# Altium PCB PCB1.PcbDoc (continued)
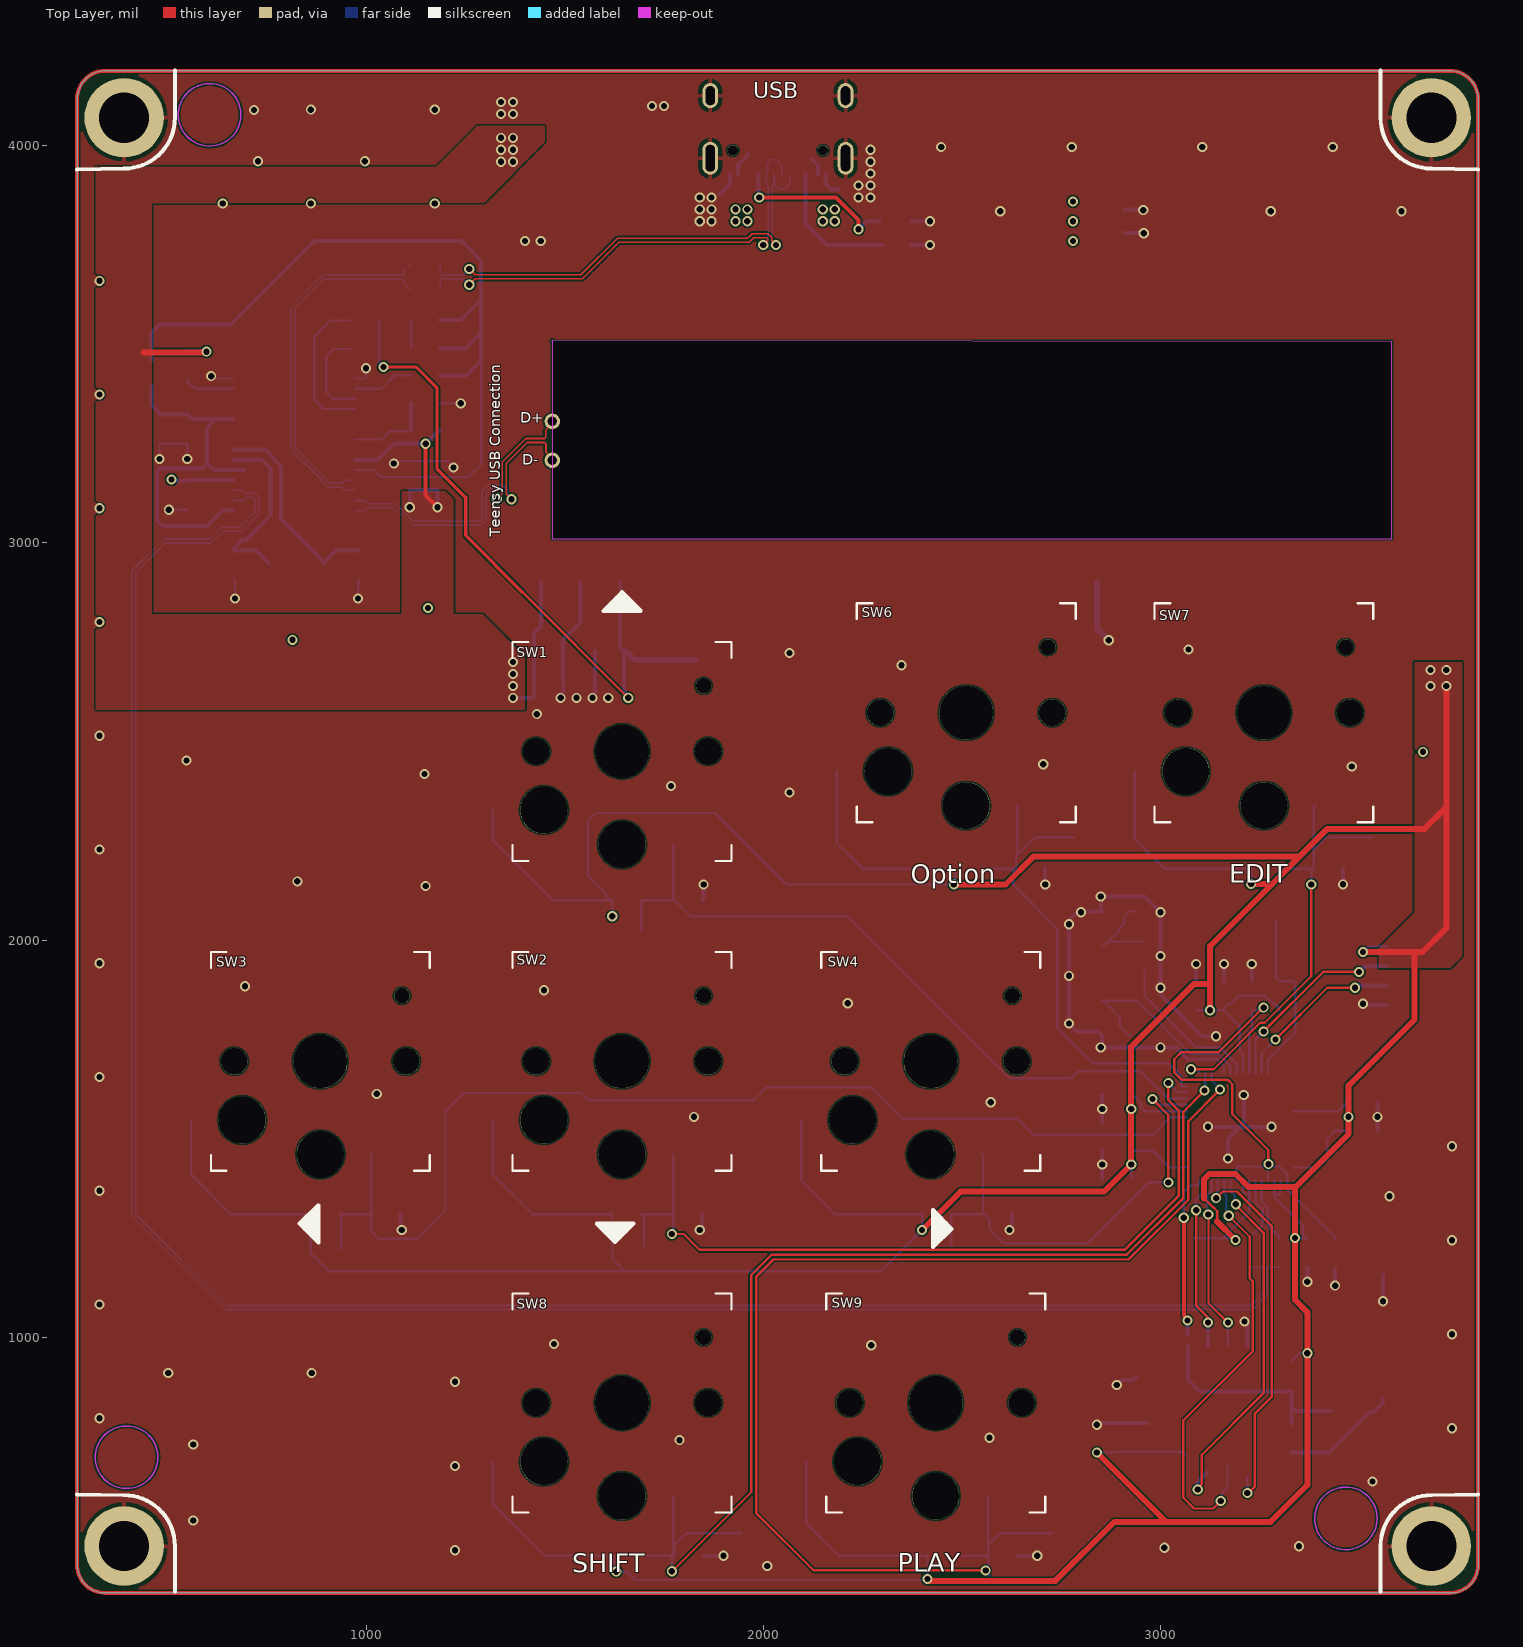
[diagram p0: Top Layer view]
## Footprints (in the part's own frame and the unit in brackets; to place one, negate y for a bottom-side part, rotate by r counter-clockwise, add the part's x,y. Pads: shape width x height; smd on the part's side, far side on the other; paste and mask are expansions set on the pad) (continued)
  round 1.2 smd paste-1.2: 1(0,0)
  silkscreen extent -0.76,-0.76 0.76,0.76
"TSW SMD-3*6*2.5" [mm] "3*6*2.5mm"
  rect 2x1.5 smd: 1(-3.996,-0.02) 2(3.937,0)
  silkscreen extent -3.21,-1.9 3.09,1.9, body extent -4,-1.75 4,1.75, height 2.59
Type-C-TOP [mm]
  round 0.65 hole 0.65: 0(-0.98,-2.89) 0(-0.98,2.89)
  oval 1.6x1 hole 0.6 slot 1.2 at 0 deg: 1(2.52,4.325) 2(2.52,-4.325)
  oval 2.1x1 hole 0.6 slot 1.7 at 0 deg: 3(-1.48,-4.325) 4(-1.48,4.325)
  rrect50% 1.5x0.3 smd: A1(-2.52,-3.35) A4(-2.52,-2.55) A5(-2.52,-1.25) A6(-2.52,-0.25) A7(-2.52,0.25) A8(-2.52,1.25) A9(-2.52,2.55) A12(-2.52,3.35) B1(-2.52,3.05) B4(-2.52,2.25) B5(-2.52,1.75) B6(-2.52,0.75) B7(-2.52,-0.75) B8(-2.52,-1.75) B9(-2.52,-2.25) B12(-2.52,-3.05)
  silkscreen extent -0.22,-4.33 5.12,4.33, body extent -2.57,-4.48 5.18,4.47, height 3.26
XTAL-5032-2P [mm] "5mm*3.2mm*0.8mm(³¤*¿í*¸ß)"
  rect 2.2x2.4 smd: 1(-1.75,0) 2(1.75,0)
  silkscreen extent -2.5,-1.6 2.5,1.6, body extent -2.5,-1.6 2.5,1.6, height 0.86

## Part data
5V BOOT GND RST: library part "TEST TP", "TP", BOM名称=测试环, 封装库来自淘宝卖家ID：黄晶宝石=其他店铺购入均为盗版假冒封装库，请立即申请退款, 联系卖家，免费查找封装=唯一出售店铺网址https://shop463601444.taobao.com
C1 C2 C3 C4 C5 C6 C7 C8 C9 C10 C11 C18 C19 C25 C26 C31 C32 C33 C34 C35 C36 C37 C38 C39 C40 C41 C42 C43 C44: library part 电容-1206, "Capacitor"
C12 C13 C14 C15 C16 C17 C24: library part 电容-1206, "0603 Capacitor"
C20 C21 C22 C23 C27 C28 C29 C30: library part 电容-0402, "0603 Capacitor"
D1: library part 二极管-5B5817WS
D2: library part TVS, "ESD Protection / ZN-SOD123 / DL21 5V6", Code_JEDEC=DO-214-AB, 联系卖家，免费查找封装=唯一出售店铺网址https://shop463601444.taobao.com
GL1: "Programmable Logic IC Development Tools", Package=None, Check_prices=https://www.snapeda.com/parts/GL850G/Olimex+LTD/view-part/?ref=eda, MF="Olimex Ltd.", MP=GL850G, SnapEDA_Link=https://www.snapeda.com/parts/GL850G/Olimex+LTD/view-part/?ref=snap
GND GND: "TP", BOM名称=测试环, 封装库来自淘宝卖家ID：黄晶宝石=其他店铺购入均为盗版假冒封装库，请立即申请退款, 联系卖家，免费查找封装=唯一出售店铺网址https://shop463601444.taobao.com
JP1: library part "Header 4", "4P连接器", BOM名称=4P连接器, 联系卖家 免费技术支持=封装库来自淘宝卖家ID：黄晶宝石, 联系卖家 免费查找封装=唯一出售店铺网址https://shop463601444.taobao.com
L1: library part 电感-201612, "BEADS 30R 0603"
MR1 MR2 MR3: library part MARK, "光学定位点", BOM名称=光学定位点, 封装库来自淘宝卖家ID：黄晶宝石=其他店铺购入均为盗版假冒封装库，请立即申请退款, 联系卖家，免费查找封装=唯一出售店铺网址https://shop463601444.taobao.com
R1 R2 R3 R4: library part 电阻-0402, "Resistor"
R5 R6 R17: library part 电阻-0402, "0603 1% Resistor"
R7 R8 R9 R10 R11 R12 R13 R14 R15 R16 R18 R19 R20 R21 R22 R23 R24 R25: library part 电阻-0402, "0603 Resistor"
SW1 SW2 SW3 SW4 SW5 SW6 SW7 SW8 SW9: library part "SW 3x6", BOM名称=3x6轻触开关, 封装库来自淘宝卖家ID：黄晶宝石=其他店铺购入均为盗版假冒封装库，请立即申请退款, 联系卖家，免费查找封装=唯一出售店铺网址https://shop463601444.taobao.com
TP5 TP8 TP9 TP10 TP11 TP12 TP13 TP14 TP15: library part "TEST TP", BOM名称=测试环, 封装库来自淘宝卖家ID：黄晶宝石=其他店铺购入均为盗版假冒封装库，请立即申请退款, 联系卖家，免费查找封装=唯一出售店铺网址https://shop463601444.taobao.com
U1: library part Teensy4_1, "Teensy 4_1 MCU"
U2: "RP2040 chip for Raspberry Pi Pico - ARM® Cortex®-M0+ MCU 32-Bit", Package=None, Check_prices=https://www.snapeda.com/parts/RP2040/Raspberry+Pi/view-part/?ref=eda, MF="Raspberry Pi", MP=RP2040, SnapEDA_Link=https://www.snapeda.com/parts/RP2040/Raspberry+Pi/view-part/?ref=snap
U3: library part W25Q128JVSIQ, "FLASH - NOR Memory IC 16Mb (2M x 8) SPI - Quad I/O, QPI, DTR 133 MHz 8-SOIC", Package="SOIC-8 Winbond", Availability="In Stock", Check_prices=https://www.snapeda.com/parts/W25Q128JVSIQ/Winbond+Electronics/view-part/?ref=eda, fp=SOIC8, MF="Winbond Electronics", MP=W25Q128JVSIQ, price=None, Purchase-URL=https://pricing.snapeda.com/search/part/W25Q128JVSIQ/?ref=eda, SnapEDA_Link=https://www.snapeda.com/parts/W25Q128JVSIQ/Winbond+Electronics/view-part/?ref=snap
USB1: library part USB-Type-C-TOP, "16P USB Type-C Connector"
X1 X2: library part XTAL-2P, "2P Crystal 12MHZ", BOM名称=2脚无源脚晶振, 封装库来自淘宝卖家ID：黄晶宝石="让中国人都用上 黄晶宝石 的AD封装库", 联系卖家，免费查找封装=唯一出售店铺网址https://shop463601444.taobao.com

## Free pads (board coordinates)
  round 200 hole 125.98 paste+0: 1(390.87,474.33) 1(390.87,4070.58) 1(3682.2,474.33) 1(3682.2,4070.58)
  round 39.37 hole 23.62 paste+0: 3(1469,3306) 4(1469,3208)

## Via types
v1: diameter 25.59, hole 15.75, Top Layer to Bottom Layer, tented both sides, 226 vias

## Nets (pads, with @x,y where several pads share a name; then routed paths per layer and width w, separated by ;. In a path a pad name is that pad's centre, name@x,y a point inside that pad or via, vN(x,y) a via of type N, cw(c..) or ccw(c..) an arc to the next point about the centre after c; other vN are vias at no path point)
1V1: C33.2 C34.2 U2.23 U2.45 U2.50 | length 1321.6
  Top Layer w6: v1(3260,1830) 3259,1830 3147,1718 3053,1718 3035,1700 3035,1667 3054,1648 3170,1648 3181,1637 3181,1562 3272,1471 v1(3272,1436)
  Bottom Layer w6: U2.50 3192.13,1426.49 3195.64,1430 v1@3267.35,1430 ; U2.23 3223.62,1766.86 3230.02,1773.26 C34.2 3253.5,1823.5 v1(3260,1830) ; U2.45 3270.87,1426.49 v1@3267.35,1430 ; C33.2 3440,1251.5 3320,1371.5 3320,1409.75 3299.75,1430 v1@3267.35,1430
3V3: C14.2 C15.2 C16.2 C17.2 C20.2 C21.2 C22.2 C23.2 C24.1 C25.2 C26.2 C27.2 C28.2 C29.2 C30.2 C35.2 C36.2 C37.2 C38.2 C39.2 C40.2 C41.2 C42.2 C43.2 C44.2 JP1.1 R9.2 R10.2 R11.1 R16.1 SW1.2 SW2.2 SW3.2 SW4.2 SW6.2 SW7.2 SW8.2 SW9.2 TP15.1 U1.15 U1.46 U2.1 U2.10 U2.22 U2.33 U2.42 U2.43 U2.44 U2.48 U2.49 U3.8 | length 19039.9
  Top Layer w6: 1395,2875 v1(1660,2610) ; 3110,1350 3131.8,1328.2 3132.29,1328.2 3143,1317.49 3143,1291
  Top Layer w8: v1(1044,3443) 1126,3443 1179,3390 1179,3186 1250,3115 1251,3115 1251,3019 1395,2875
  Top Layer w15: v1(2400,1270) 2497,1367 2858.49,1367 v1(2926.5,1435.01) v1(2926.5,1575.03) 2926.5,1731.5 3084,1889 3125.01,1889 ; v1(2413.5,391.5) 2418.3,386.7 2735.7,386.7 2884,535 3015,535 ; v1(2480,2140) 2610,2140 2680,2210 3350,2210 ; v1(2840,710) 3015,535 ; 3110,1350 3110,1398 3123,1411 3189,1411 3221,1379 3336.68,1379 3338.84,1376.84 ; v1(3125.01,1823.5) 3125.01,1889 ; 3143,1291 v1(3189,1245) ; v1(3228.5,2141.5) 3281.5,2141.5 ; v1(3510,1970) 3660,1970 3720,2030 3720,2335 ; 3640,1960 3640,1800 3473.5,1633.5 v1(3473.5,1554.99) 3473.5,1511.5 3338.84,1376.84 ; v1(3720,2640) 3720,2335 ; 3015,535 3277,535 3370,628 v1(3370,960) 3370,1063 3338.84,1094.16 v1(3338.84,1250.16) 3338.84,1376.84 ; 3125.01,1889 3125.01,1985.01 3281.5,2141.5 ; 3281.5,2141.5 3350,2210 ; 3350,2210 3420,2280 3665,2280 3720,2335
  Bottom Layer w6: SW3.2 559.21,1410.79 660,1310 C22.2 860.49,1212.51 907,1166 1652,1166 ; R9.2 R10.2 1033.49,3453.51 v1(1044,3443) ; SW8.2 1318.7,581.3 1450,450 C29.2 1623.5,421.8 1630,415.3 v1(1630,410) 1656,410 1677,389 2411,389 v1(2413.5,391.5) C30.2 2190,450 2108.7,531.3 SW9.2 ; SW2.2 1318.7,1411.3 1420,1310 C21.2 1620.49,1197.51 1652,1166 ; SW1.2 1318.7,2251.3 1470,2100 C20.2@1615.49,2100 ; v1(1620,2060) 1620,2099.51 C20.2 C20.2@1615.49,2100 ; C15.2 C15.2@1654.51,2727.15 ; SW4.2 2095.75,1394.25 2180,1310 C23.2 2400.49,1270.49 v1(2400,1270) 2296,1166 1652,1166 ; SW6.2 2185.27,2244.73 2250,2180 C27.2 v1@2483.5,2140 ; v1(2480,2140) 2059,2140 1879,2320 1577.51,2320 1558,2300.49 1558,2162.49 1603.49,2117 1603.49,2112 C20.2@1615.49,2100 ; v1(2840,710) 2886.34,710 C26.2 C25.2 3056.29,711.71 U3.8@3063,705 ; C35.2 v1(2926.5,1435.01) C36.2 2979.99,1470.01 3022.36,1427.64 U2.1 ; C37.2 v1(2926.5,1575.03) C38.2 2931.5,1610.03 2952.07,1589.46 2952.07,1577.93 2960.63,1569.37 U2.10 ; SW7.2 2935,2255 3010,2180 C28.2 v1(3228.5,2141.5) ; C44.2 C43.2 ; C39.2 v1(3125.01,1823.5) C40.2 ; v1(3189,1245) 3184.68,1249.32 C43.2 ; U2.22 3207.87,1712.13 3200,1720 3200,1783.51 C40.2 ; U2.49@3208.81,1393.83 U2.49 3207.87,1365.64 3211.39,1362.13 3221.56,1362.13 3223.62,1364.19 ; U2.48 3223.62,1364.19 ; U2.44 3286.61,1360 ; R16.1 3300.03,1827.75 3287.28,1840.5 3283.03,1840.5 3263.53,1860 3196.51,1860 3177.01,1840.5 3172.01,1840.5 3160.01,1828.5 C40.2 ; U2.43 3302.36,1363.51 3298.85,1360 3289.92,1360 ; R11.1 3330.19,940.75 3349.43,960 v1(3370,960) ; U2.42 3397.64,1427.64 3420,1450 3420,1500 3439.99,1519.99 C41.2 v1(3473.5,1554.99) C42.2 3468.5,1590 3447.87,1569.37 U2.33 ; v1@3338,1251 v1(3338.84,1250.16) 3339.68,1249.32 C24.1 3358,1261.32 3358,1282 3286.61,1353.39 3286.61,1356.69 ; v1(3510,1970) 3524.36,1984.36 JP1.1 ; C43.2 3223.62,1315.95 3223.62,1364.19 ; 3286.61,1356.69 3286.61,1360 ; 3286.61,1356.69 3289.92,1360 ; 3286.61,1360 3289.92,1360
  Bottom Layer w10: U1.46 1640,2736.66 C15.2 C14.2 1649.51,2625.79 1660,2615.3 v1(1660,2610)
  Bottom Layer w15: C15.2@1654.51,2727.15 1675.66,2706 TP15.1
  other v1: 3680,2640 3680,2680 3720,2680 2780,3760 2780,3810 2780,3860
3V3_HUB_OUT: C6.2 C7.2 GL1.24 L1.1 R25.1 | length 2230.6
  Bottom Layer w6: GL1.24 1020.35,3183.65 1038,3166 1258,3166 1290,3198 1290,3460
  Bottom Layer w10: L1.1@460,3460.46 L1.1 460,3530 480,3550 660,3550 870,3760 1240,3760 1290,3710 1290,3613.1 ; R25.1 1251.53,3421.53 1290,3460 1290,3530 ; C7.2 1188.04,3490 1250,3490 1290,3530 ; C6.2 1238.45,3561.55 1290,3613.1 ; 1290,3530 1290,3613.1
5V: 5V.1 C1.2 C2.2 C3.2 C4.2 C5.2 C10.2 C11.2 C12.2 C13.2 D1.2 GL1.23 R5.2 R8.2 U1.48 | length 1131.4
  Top Layer w10: v1@596.51,3480 v1(598.25,3481.74) ; v1(1150,3250) 1150,3120 v1(1180,3090)
  Top Layer w15: 440,3480 v1@596.51,3480
  Bottom Layer w10: R8.2 596.51,3483.49 v1(598.25,3481.74) v1@600,3480 ; GL1.23 1029.24,3209.24 1070,3250 v1(1150,3250) 1181.51,3281.51 R5.2 ; v1(1110,3090) C11.2 C10.2 v1(1180,3090) ; v1(1370,2610) 1418.43,2610 1423.5,2615.07 C13.2 1423,2657.64 C12.2 1423,2773 1440,2790 U1.48
  other v1: 1370,2640 1370,2670 1370,2700 1340,3960 1370,3960 1340,3990 1370,3990 1340,4020 1370,4020
A_KEY: C27.1 R21.2 SW6.1 TP11.1 U2.14 | length 1248.1
  Bottom Layer w6: C27.1 R21.2 ; SW6.1 2640,2215 ; TP11.1 2684,2259 2640,2215 ; U2.14 3053.15,1632.36 3052.21,1633.3 3052.21,1656.96 3019.18,1690 2830,1690 2740,1780 2740,2030 2630,2140 2630,2173.49 R21.2 ; R21.2 2636.51,2211.51 2640,2215
AVDD: C8.2 C9.2 GL1.1 GL1.5 GL1.10 L1.2 | length 963
  Bottom Layer w10: L1.2 460,3348 480,3328 C8.2 C9.2 561.39,3311.61 621.61,3311.61 ; GL1.1 638.85,3081.29 600,3042.44 487.56,3042.44 474.14,3055.86 474.14,3181.64 480,3187.5 587.5,3187.5 600,3200 ; GL1.10 621.61,3311.61 ; GL1.5@693.03,3183.65 GL1.5 616.35,3183.65 600,3200 ; 600,3200 600,3290 621.61,3311.61
B_KEY: C28.1 R22.2 SW7.1 TP12.1 U2.15 | length 1104.7
  Top Layer w6: v1(3077,1675) 3134.18,1675 3250.97,1791.8 3262.62,1791.8 3380,1909.18 v1(3380,2140)
  Bottom Layer w6: v1(3077,1675) 3091.7,1675 3097.64,1669.06 U2.15 ; C28.1 R22.2 ; v1(3380,2140) 3380,2173.49 R22.2 ; SW7.1 3386.51,2335.17 3386.51,2227.51 ; TP12.1@3533,2259 3418,2259 3386.51,2227.51 ; R22.2 3386.51,2227.51
D_KEY: C21.1 R13.2 SW2.1 TP8.1 U2.13 | length 2063.7
  Top Layer w6: v1(1770,1260) 1800,1260 1840,1220 2910,1220 3046,1356 3046,1571.35 3020,1597.35 v1(3020,1640)
  Bottom Layer w6: TP8.1 1700,1303.49 C21.1 R13.2 ; v1(1770,1260) 1773.5,1263.5 R13.2 ; SW2.1 1773.43,1310.07 R13.2 ; v1(3020,1640) 3042.45,1617.55 3063.83,1617.55 U2.13
DVDD: GL1.16 R25.2 | length 154.7
  Bottom Layer w6: GL1.16 1038.38,3388.38 1071.53,3421.53 R25.2
GND: C1.1 C2.1 C3.1 C4.1 C5.1 C6.1 C7.1 C8.1 C9.1 C10.1 C11.1 C12.1 C13.1 C14.1 C15.1 C16.1 C17.1 C18.1 C19.1 C24.2 C25.1 C26.1 C31.1 C32.1 C33.1 C34.1 C35.1 C36.1 C37.1 C38.1 C39.1 C40.1 C41.1 C42.1 C43.1 C44.1 D2.1 GL1.14 GL1.15 GND.1 JP1.4 pad.1 R1.2 R2.2 R6.1 R7.2 R12.1 R13.1 R14.1 R15.1 R21.1 R22.1 R23.1 R24.1 SW5.1 U1.1 U1.34 U1.47 U2.19 U2.57 U3.4 USB1.1 USB1.2 USB1.3 USB1.4 USB1.A1 USB1.A12 USB1.B1 USB1.B12 | length 4511.9
  Bottom Layer w6: v1(479.98,3211.3) C8.1 C9.1 v1(550,3211.3) ; v1@500,3080 v1(503.5,3083.5) R6.1 ; v1(610,3420) 616.03,3413.97 GL1.14 ; C18.1 670,2906.03 v1(670,2860) ; GL1.15 996.41,3413.97 1000,3417.56 v1(1000,3440) ; v1(980,2860) C19.1 ; v1(1070,3200) 1076.5,3206.5 C11.1 C10.1 1203.5,3206.5 v1(1220,3190) ; C7.1 C6.1 ; R7.2 v1(1238.48,3351.52) v1@1240,3350 ; 3070,1700 3142.74,1700 3159.69,1683.05 3159.69,1666.17 U2.19
  Bottom Layer w10: R14.1 1086.5,1273.5 v1(1090,1270) ; v1(1490,2610) 1496.5,2616.5 C13.1 1496,2657.64 C12.1 1496,2756 1540,2800 U1.47 ; v1(1570,2610) 1570,2614.22 1576.51,2620.73 C14.1 C15.1 ; v1(1840,1270) 1846.5,1276.5 R13.1 ; R12.1 1850,2103.5 v1(1850,2140) ; R23.1 v1(1900,450) ; 1890,3880 1892.76,3880 1916.92,3904.17 USB1.B12 ; USB1.B1 2157.08,3904.17 2171.24,3890 2190,3890 ; R2.2 v1(2419.99,3749.99) ; R1.2 v1(2420,3810) ; v1(2620,1270) 2626.5,1276.5 R15.1 ; R24.1 v1(2690,450) ; R21.1 2710,2179.51 v1(2710,2140) v1@2710,2130 ; v1(2840,780) 2844.71,784.71 C26.1 C25.1 ; C35.1 v1(2853.5,1435.01) C36.1 ; C37.1 v1(2853.5,1575.03) C38.1 ; v1(2890,880) 2902.87,892.87 2932.87,892.87 GND.1@2940,900 ; C16.1 v1@2949.99,3779.99 ; C17.1 2955,3840 v1(2957,3838) v1@2959,3836 ; 3070,1700 3040,1730 v1(3000,1730) v1(2850,1730) 2853.5,1733.5 C31.1 2843.5,1770 2790,1770 v1(2770,1790) v1(2770,1910) v1(2770,2040) 2772.98,2042.98 2772.98,2052.98 2787.02,2067.02 2794.59,2067.02 2800,2072.43 C32.1 2850,2075.93 v1(2850,2110) 2960,2110 v1(3000,2070) v1(3000,1960) v1(3000,1880) 3000,1862.94 3104.94,1758 v1(3140,1758) ; C39.1 v1(3090,1940) ; v1(3120,1530) U2.57 ; C40.1 v1(3160,1940) ; v1(3170,1450) 3170,1500 U2.57 ; v1(3210,1610) 3210,1540 U2.57 ; v1(3212,1040) 3218.99,1033.01 U3.4 ; C34.1 v1(3230.02,1939.98) ; v1(3280,1530) U2.57 ; v1(3370,1140) C24.2 ; v1(3440,1130) C33.1 ; v1(3459.51,2140.49) R22.1 ; v1(3510,1840) 3513.28,1836.72 JP1.4 ; C41.1 v1(3546.5,1554.99) C42.1 ; v1@3560,1090 v1(3560.79,1090.79) SW5.1
  Bottom Layer w15: U1.34 2840,2785 v1(2870,2755)
  other v1: 2010,424 1224,464 3010,470 3349,474 565,539 3534,637 1224,676 565,730 1789,741 2570,747 3734,771 329,796 1224,888 502,910 863,910 2272,980 1473,983 3734,1007.67 329,1082.4 3734,1244.33 3577,1355 329,1368.8 3734,1481 1826,1555 2573,1592 1027,1613 329,1655.2 2213,1841 1448,1874 695,1884 329,1941.6 2800,2070 1150,2136 827,2148 329,2228 2066,2372 1768,2388 1147,2418 3482,2437 2705,2443 548,2452 3661,2474 329,2514.4 1430,2569 1530,2610 1610,2610 2348,2692 2066,2723 3071,2732 815,2756 329,2800.8 1156,2836 329,3087.2 329,3373.6 329,3660 1400,3760 1440,3760 2958,3780 1840,3810 1870,3810 2597,3835 3278,3835 3607,3835 1840,3840 1870,3840 639,3855 861,3855 1173,3855 1840,3870 1870,3870 2240,3870 2270,3870 2240,3900 2270,3900 2270,3930 2270,3960 728,3961 997,3961 2270,3990 2448,3997 2776.67,3997 3105.33,3997 3434,3997 1340,4080 1370,4080 718,4090 861,4091 1173,4091 1720,4100 1750,4100 1340,4110 1370,4110
L_KEY: C22.1 R14.2 SW3.1 TP9.1 U2.9 | length 2811.1
  Bottom Layer w6: TP9.1@938,1221 938,1305.49 C22.1 R14.2 ; SW3.1 1013.5,1459.96 R14.2 ; U2.9 3023.62,1553.62 2980,1510 2680,1510 2640,1550 2350,1550 2270,1630 2009,1630 1976,1597 1561.06,1597 1543,1615.06 1245.06,1615.06 1200,1570 1200,1320 1128.2,1248.2 1031.8,1248.2 1013.5,1266.5 R14.2
M_KEY: C30.1 R24.2 SW9.1 TP14.1 U2.17 | length 3229.1
  Top Layer w6: v1(2560,413) 2559.7,413.3 2126.7,413.3 1982,558 1982,1152 2026,1196 2919.94,1196 3070,1346.06 3070,1543.75 v1(3150,1623.75)
  Bottom Layer w6: C30.1 R24.2 ; v1(2560,413) 2560,411.81 v1@2566.51,405.3 ; SW9.1 2566.51,597.32 2566.51,476.51 ; 2570,400 2566.51,403.49 v1@2566.51,405.3 ; TP14.1 2597,507 2566.51,476.51 ; U2.17 3129.13,1646.59 3150,1625.72 v1(3150,1623.75) ; v1@2566.51,405.3 R24.2 ; R24.2 2566.51,476.51
NetC18_2: C18.2 GL1.6 X1.1 | length 453.9
  Bottom Layer w10: GL1.6 738.41,3209.24 760,3187.66 760,3069.75 697.25,3007 688.11,3007 667.57,2986.46 C18.2 722.9,2981.46 X1.1
NetC19_2: C19.2 GL1.7 X1.2 | length 526.8
  Bottom Layer w10: GL1.7 745.17,3234.83 786.09,3193.91 786.09,3060 892.68,2953.41 X1.2 924.67,2981.46 C19.2
NetC31_2: C31.2 U2.20 X2.1 | length 528.5
  Bottom Layer w6: X2.1 X2.1@2856.93,1847.32 ; C31.2 2921.5,1760 2897.24,1784.26 2897.24,1807.01 X2.1@2856.93,1847.32 ; U2.20 3175.44,1666.17 3175.44,1684.27 3145.71,1714 3075.8,1714 2942.48,1847.32 X2.1@2856.93,1847.32
NetC32_2: C32.2 R18.1 X2.2 | length 219.7
  Bottom Layer w6: X2.2 2856.93,1985.11 X2.2@2868.32,1996.5 ; C32.2@2931.5,2072.43 C32.2 2921.5,2072.43 2909.5,2060.43 2909.5,2041.62 2897.24,2029.36 2897.24,2025.42 X2.2@2868.32,1996.5 ; R18.1 X2.2@2868.32,1996.5
NetGL1_4: GL1.4 R6.2 | length 157.5
  Bottom Layer w10: v1(510,3160) 513.5,3156.5 R6.2 551.56,3158.06 GL1.4
NetGL1_13: GL1.13 R8.1 | length 127.1
  Bottom Layer w6: R8.1 550,3406.24 562.75,3393.49 567,3393.49 572.11,3388.38 GL1.13
NetGL1_17: GL1.17 R10.1 | length 237.8
  Bottom Layer w6: R10.1 918.49,3488.49 900,3470 900,3380 917.21,3362.79 GL1.17
NetGL1_18: GL1.18 R9.1 | length 379
  Bottom Layer w6: R9.1 910,3560 870,3520 870,3360 892.8,3337.2 GL1.18
NetGL1_21: GL1.21 R5.1 R7.1 | length 219.7
  Bottom Layer w6: GL1.21 1040.42,3260.42 1061.51,3281.51 R5.1
  Bottom Layer w10: R5.1 R7.1
NetR1_1: R1.1 USB1.A5 | length 417.5
  Top Layer w10: v1(1990,3870) 2183.65,3870 2240,3813.65 v1(2240,3790)
  Bottom Layer w10: USB1.A5 1987.79,3872.21 v1(1990,3870) ; v1(2240,3790) 2260,3810 R1.1@2293.5,3810
NetR2_1: R2.1 USB1.B5 | length 338.7
  Bottom Layer w10: USB1.B5 2105.9,3804.1 2160.01,3749.99 R2.1
NetR17_1: R17.1 SW5.2 | length 291.5
  Bottom Layer w10: R17.1 3425,710 3525.63,810.63 3535.47,810.63 3560,835.16 SW5.2
NetR18_2: R18.2 U2.21 | length 389.6
  Bottom Layer w6: R18.2 2960,1860 3090,1730 3150,1730 3192.13,1687.87 U2.21
NetR19_1: R19.1 U2.46 | length 163.6
  Bottom Layer w6: U2.46 3255.12,1341.85 3270,1326.97 3270,1282.56 3298.99,1253.57 R19.1
NetR20_1: R20.1 U2.47 | length 153.3
  Bottom Layer w6: R20.1@3233.68,1259.26 3258,1283.58 3258,1322 3239.37,1340.63 U2.47
QSPI_SCLK: U2.52 U3.6 | length 1114.8
  Top Layer w6: v1(3152,588) 3133,569 3085,569 3058,596 3058,791 3232.8,965.8 3232.8,1140.5 3225,1148.3 3225,1253 v1(3172,1306)
  Bottom Layer w6: v1(3152,588) 3155,591 3155,608 3168.99,621.99 U3.6 ; U2.52 3160.63,1361.37 3165.45,1356.55 3165.45,1317.85 3172,1311.3 v1(3172,1306)
QSPI_SD0: U2.53 U3.5 | length 970.7
  Top Layer w6: v1(3140.41,1350.41) 3157,1367 3193,1367 3280,1280 3280,850 3237.12,807.12 3237.12,623.12 3221.8,607.8 v1(3219,607.8)
  Bottom Layer w6: v1(3140.41,1350.41) 3144.88,1354.88 U2.53 ; v1(3219,607.8) 3218.99,650.01 U3.5@3219.49,650.51
QSPI_SD1: U2.55 U3.2 | length 438.9
  Top Layer w6: v1(3090,1320) 3090,1080 3120,1050 v1(3120,1037.12)
  Bottom Layer w6: v1(3090,1320) 3090,1347.79 3113.39,1371.18 U2.55
  Bottom Layer w10: U3.2 3119.49,978.85 3119.49,1036.62 v1(3120,1037.12)
QSPI_SD2: U2.54 U3.3 | length 444.8
  Top Layer w6: v1(3120.67,1309) 3121.2,1308.46 3121.2,1085.92 v1(3170,1037.12)
  Bottom Layer w6: v1(3120.67,1309) 3120.67,1309.46 3121.2,1310 3121.2,1314.97 3123.12,1316.88 3118.2,1321.8 3118.2,1359.03 3129.13,1369.96 U2.54 ; U3.3 3169.49,978.85 3169.49,1036.62 v1(3170,1037.12)
QSPI_SD3: U2.51 U3.7 | length 935.5
  Top Layer w6: v1(3094,617) 3094,620.31 3104,630.31 3104,704 3260,860 3260,1262.43 3190,1332.43 v1(3190,1335)
  Bottom Layer w6: U2.51 3176.38,1367.58 3187.16,1356.8 3187.16,1337.84 v1(3190,1335)
  Bottom Layer w10: v1(3094,617) 3094,636.02 U3.7@3118.99,661.01
QSPI_SS: BOOT.1 R11.2 R17.2 U2.56 U3.1 | length 961.1
  Top Layer w10: v1(3059,1301) 3059,1055.22 3068,1046.22 v1(3068,1042)
  Bottom Layer w6: v1(3059,1301) 3059,1365 3076.21,1382.21 3096.7,1382.21 3096.7,1387 3097.64,1387.94 U2.56
  Bottom Layer w10: U3.1@3068,1006.69 v1(3068,1042) ; U3.1 3068.99,894.01 3099.5,863.5 R11.2 3330.19,823.25 ; R17.2 3330.19,823.25 ; BOOT.1 3339.44,814 3330.19,823.25
R_KEY: C23.1 R15.2 SW4.1 TP10.1 U2.11 | length 1203.1
  Top Layer w6: v1(2980,1600) 3020,1560 v1(3020,1390)
  Bottom Layer w6: TP10.1 2473,1309.51 C23.1 R15.2 ; SW4.1 2553.5,1457.38 R15.2 ; v1(2980,1600) 2994.88,1585.12 U2.11 ; v1(3020,1390) 2970,1390 2816.5,1236.5 2607,1236.5 2570.5,1273 2570.5,1297.25 2557.75,1310 R15.2
RESET: R16.2 RST.1 U2.26 | length 455.5
  Bottom Layer w6: U2.26 3270.87,1699.22 3340,1768.35 3340,1892.99 3336.49,1896.5 R16.2 3290,1906.53 RST.1
RPI_USB_D_N: GL1.2 R19.2 | length 5160.1
  Bottom Layer w4: GL1.2 691.33,3106.88 699.12,3114.68 717.66,3114.68 720,3112.33 720,3076.41 683.59,3040 635.86,3040 605.86,3010 490,3010 410,2930 410,1305.86 412.93,1302.93 645.86,1070 3232.63,1070 3268.49,1105.86 3268.49,1173.97 3270.83,1176.32 R19.2
RPI_USB_D_P: GL1.3 R20.2 | length 5143.5
  Bottom Layer w4: GL1.3 691.33,3132.47 699.12,3124.68 721.8,3124.68 730,3116.48 730,3072.27 687.73,3030 640,3030 610,3000 494.14,3000 420,2925.86 420,1310 650,1080 3228.49,1080 3258.49,1110 3258.49,1173.97 3256.15,1176.32 R20.2
S_KEY: C29.1 R23.2 SW8.1 TP13.1 U2.16 | length 2814.8
  Top Layer w6: v1(1770,410.8) 1770.8,410.8 1970,610 1970,1156.97 2021.03,1208 2914.97,1208 3058,1351.03 3058,1568 v1(3111.22,1621.22)
  Bottom Layer w6: C29.1 R23.2 ; v1(1770,410.8) 1770,443.49 R23.2 ; SW8.1 1773.43,453.08 R23.2 ; TP13.1 1806,507 1776.51,477.51 R23.2 ; v1(3111.22,1621.22) 3113.39,1623.39 U2.16
SWCLK: JP1.2 U2.24 | length 492.7
  Top Layer w6: v1(3260,1770) 3410,1920 v1(3500,1920)
  Bottom Layer w6: U2.24 3239.37,1749.37 v1(3260,1770)
  Bottom Layer w10: v1(3500,1920) 3515.15,1935.15 JP1.2
SWD: JP1.3 U2.25 | length 436.5
  Top Layer w6: v1(3290,1750) 3420,1880 v1(3490,1880)
  Bottom Layer w6: U2.25 3255.12,1715.12 v1(3290,1750)
  Bottom Layer w10: v1(3490,1880) 3495.94,1885.94 JP1.3
TSY_USB_D_N: GL1.27 pad.4 | length 782.7
  Top Layer w4: v1(1366,3110) 1366,3110.5 1352.5,3124 1352.5,3199.36 1406.07,3252.93 1450.07,3252.93 1453,3250 1453,3228.32 1463.53,3217.79 pad.4@1463.53,3208
  Bottom Layer w4: GL1.27 998.41,3106.88 1006.21,3099.09 1074.33,3099.09 1118.42,3055 1286.66,3055 1292.29,3060.64 1292.29,3131.29 1307.93,3146.93 1342.21,3146.93 1349.07,3140.07 1355.47,3133.67 1355.47,3126.05 1366,3115.52 v1(1366,3110)
TSY_USB_D_P: GL1.28 pad.3 | length 765.8
  Top Layer w4: v1(1329,3111) 1329.5,3111 1342.5,3124 1342.5,3203.5 1401.93,3262.93 1449.59,3262.93 1451.93,3265.27 1451.93,3283.93 1461.54,3293.54 pad.3@1462.23,3293.54
  Bottom Layer w4: GL1.28 998.41,3081.29 1006.21,3089.09 1070.19,3089.09 1114.28,3045 1290.8,3045 1302.29,3056.49 1302.29,3127.15 1312.07,3136.93 1338.07,3136.93 1342,3133 1342,3124.58 1329,3111.58 v1(1329,3111)
U_KEY: C20.1 R12.2 SW1.1 TP5.1 U2.12 | length 1810.8
  Bottom Layer w6: TP5.1 1693,2099.51 C20.1 R12.2 ; SW1.1 1773.5,2240.68 R12.2 ; U2.12 3019.13,1600.87 2950,1670 2794.16,1670 2776.31,1652.15 2620.48,1652.15 2212.63,2060 1817.75,2060 1777.75,2100 R12.2
USB_D_N: GL1.25 R3.1 | length 882
  Bottom Layer w4: GL1.25 946.62,3158.06 938.82,3150.27 909.73,3150.27 890,3170 820,3240 820,3590 894.25,3664.25 1093.16,3664.25 1095.5,3661.91 1095.5,3653.75 1109.25,3640 R3.1
USB_D_P: GL1.26 R4.1 | length 916.6
  Bottom Layer w4: GL1.26 946.62,3132.47 938.82,3140.27 905.59,3140.27 879.39,3166.46 810,3235.86 810,3594.14 890.11,3674.25 1093.16,3674.25 1095.5,3676.59 1095.5,3686.26 R4.1@1109.25,3700.01 ; R4.1@1107.74,3700.01 R4.1@1109.25,3700.01 ; R4.1 R4.1@1109.25,3700.01
USB_IN_D_N: R3.2 USB1.A7 USB1.B7 | length 1210.6
  Top Layer w4: v1(1260,3650) 1275,3665 1545,3665 1637.07,3757.07 1964.5,3757.07 1976.22,3768.8 2007.79,3768.8 2011.16,3765.42 2011.16,3762.11 2000,3750.95 v1(2000,3750)
  Bottom Layer w4: R3.2 1186.5,3662.97 1188.84,3665.32 1218.09,3665.32 1218.41,3665 1245,3665 v1(1260,3650) ; v1(2000,3750) 2000,3750.95 2011.16,3762.11 2011.16,3776.42 2012.31,3777.58 2012.31,3898.81 2007.47,3903.65 USB1.B7 2010.79,3931.1 2010.79,3956.44 2019.67,3965.32 2034.65,3965.32 2041.06,3958.9 2041.06,3957.7 2046.84,3951.93 USB1.A7
USB_IN_D_P: R4.2 USB1.A6 USB1.B6 | length 1217.2
  Top Layer w4: v1(1260,3690) 1275,3675 1540.86,3675 1632.93,3767.07 1960.35,3767.07 1972.08,3778.8 2011.93,3778.8 2021.16,3769.57 2021.16,3762.11 2032.31,3750.95 v1(2032.31,3750)
  Bottom Layer w4: R4.2 1186.5,3698.5 1186.5,3677.66 1188.84,3675.32 1222.23,3675.32 1222.55,3675 1245,3675 v1(1260,3690) ; USB1.A6 USB1.A6@2027.16,3917.79 ; v1(2032.31,3750) 2032.31,3750.95 2021.16,3762.11 2021.16,3772.28 2022.31,3773.44 2022.31,3898.81 2027.16,3903.65 USB1.A6@2027.16,3917.79 ; USB1.B6 2066.53,3903.65 2060.75,3897.87 2060.75,3896.68 2054.33,3890.26 2039.35,3890.26 2030.47,3899.14 2030.47,3914.47 USB1.A6@2027.16,3917.79
VBUS: D1.1 D2.2 USB1.A4 USB1.A9 USB1.B4 USB1.B9 | length 108.9
  Bottom Layer w10: USB1.A4 1936.61,3951.41 1960,3974.8 1960,3980 ; 2120.58,3967.16 2121.64,3967.16 2137.39,3951.41 USB1.A9
  other v1: 1930,3810 1960,3810 2150,3810 2180,3810 1930,3840 1960,3840 2150,3840 2180,3840
pads on no net: GL1.8 GL1.9 GL1.11 GL1.12 GL1.19 GL1.20 GL1.22 JP1.0 MR1.Mark MR2.Mark MR3.Mark SW1. SW2. SW3. SW4. SW6. SW7. SW8. SW9. U1.2 U1.3 U1.4 U1.5 U1.6 U1.7 U1.8 U1.9 U1.10 U1.11 U1.12 U1.13 U1.14 U1.16 U1.17 U1.18 U1.19 U1.20 U1.21 U1.22 U1.23 U1.24 U1.25 U1.26 U1.27 U1.28 U1.29 U1.30 U1.31 U1.32 U1.33 U1.35 U1.36 U1.37 U1.38 U1.39 U1.40 U1.41 U1.42 U1.43 U1.44 U1.45 U2.2 U2.3 U2.4 U2.5 U2.6 U2.7 U2.8 U2.18 U2.27 U2.28 U2.29 U2.30 U2.31 U2.32 U2.34 U2.35 U2.36 U2.37 U2.38 U2.39 U2.40 U2.41 USB1.0 USB1.A8 USB1.B8
copper on no net: | length 29196.8
  Top Layer w10: 272.24,427.15 ccw(c343.11,427.15) 343.11,356.28 3728.94,356.28 ccw(c3728.94,427.15) 3799.8,427.15 3799.8,4117.89 ccw(c3728.94,4117.89) 3728.94,4188.76 343.11,4188.76 ccw(c343.11,4117.89) 272.24,4117.89 272.24,427.15
  Bottom Layer w10: 272.24,427.15 ccw(c343.11,427.15) 343.11,356.28 3728.94,356.28 ccw(c3728.94,427.15) 3799.8,427.15 3799.8,4117.89 ccw(c3728.94,4117.89) 3728.94,4188.76 343.11,4188.76 ccw(c343.11,4117.89) 272.24,4117.89 272.24,427.15

## Polygon pours and split planes (outlines as drawn)
GND on Bottom Layer "GND_L02_P021" (solid, pour order 21): 272.24,427.15 272.24,4117.89 cw(c343.11,4117.89) 343.11,4188.76 3728.94,4188.76 cw(c3728.94,4117.89) 3799.8,4117.89 3799.8,427.15 cw(c3728.94,427.15) 3728.94,356.28 343.11,356.28 cw(c343.11,427.15)
3V3 on Bottom Layer "3V3_L02_P013" (solid, pour order 13): 2740,3910 2740.57,3705.95 3600,3714.2 3600,2780 1692.9,2776.03 1686.88,3012.49 1620,3020 1590,3020 1590,2580 3730,2580 3780,2630 3780,3900 3770,3910
GND on Bottom Layer "GND_L02_P011" (solid, pour order 11): 1320,3880 1320,3810 1350,3780 1350,3510 1490,3510 1500,3500 1520,3520 1520,3740 1590,3810 1590,3880
3V3 on Bottom Layer "3V3_L02_P003" (solid, pour order 3): 2880,3550 2880,3710 2870,3720 2870,3740 2870,3900 2770,3900 2760,3890 2760,3730 2800,3690 2800,3550
3V3 on Bottom Layer "3V3_L02_P002" (solid, pour order 2): 1600,2980 1600,2820 1630,2790 1630,2590 1740,2590 1740,2680 1690,2730 1690,2960 1670,2980
GND on Bottom Layer "GND_L02_P001" (solid, pour order 1): 1490,2980 1490,2810 1470,2790 1470,2590 1610,2590 1620,2600 1620,2780 1580,2820 1580,2980
5V on Bottom Layer "5V_L02_P000" (solid, remove dead copper, pour order 0): 1330,2760 1330,2590 1440,2590 1470,2620 1470,2970 1450,2990 1370,2990 1370,2800
no net on Bottom Layer "NONET_L02_P012" (solid, pour order 12): 2720,4030
GND on Bottom Layer "GND_L02_P006" (solid, pour order 6): 1810,4040 2290,4040 2290,3850 2220,3780 1820,3780 1810,3790
VBUS on Bottom Layer "VBUS_L02_P005" (solid, remove dead copper, pour order 5): 1923.22,3988.42 2150.78,3988.42 2150.78,3890.78 2150,3890 2190,3850 2200,3850 2200,3780 1900,3780 1900,3850 1920,3870
VBUS on Bottom Layer "VBUS_L02_P007" (solid, pour order 7): 1900,3850 1900,3770 1810,3770 1810,3920 1600,3920 1590,3910 1590,3730 1600,3720 1950,3720 2000,3770 2000,3840
GND on Bottom Layer "GND_L02_P010" (solid, pour order 10): 1610,4050 1330,4050 1320,4060 1320,4130 1610,4130
5V on Bottom Layer "5V_L02_P009" (solid, pour order 9): 1700,4130 1700,3930 1600,3930 1560,3890 1320,3890 1320,4050 1580,4050 1610,4080 1610,4130
GND on Bottom Layer "GND_L02_P008" (solid, pour order 8): 1700,4130 1700,3950 1728.85,3921.15 1881.69,3921.15 1881.69,4012.09 1873.78,4020 1800,4020 1800,4120 1790,4130
GND on Top Layer "S" (solid, pour order 19): 265.26,427.15 ccw(c336.13,427.15) 336.13,356.28 3721.96,356.28 ccw(c3721.96,427.15) 3792.82,427.15 3792.82,4117.89 ccw(c3721.96,4117.89) 3721.96,4188.76 336.13,4188.76 ccw(c336.13,4117.89) 265.26,4117.89
5V on Top Layer "5V_L01_P016" (solid, pour order 16): 1220,2800 1090,2800 1090,3130 1200,3130 1220,3110
3V3 on Top Layer "3V3_L01_P017" (solid, pour order 17): 3640,2700 3640,2070 3550,1980 3550,1930 3730,1930 3760,1960 3760,2700
5V on Top Layer "5V_L01_P014" (solid, pour order 14): 1400,2714 1400,2580 320,2580 320,3947 1177,3947 1280,4050 1450,4050 1450,4010 1297.71,3857.14 460,3854.99 460,2820 1360,2820 1294,2820
no net on Top Layer "NONET_L01_P004" (solid, pour order 4): 1900,3970
no net on Mechanical 1 "NONET_L-01_P-001" (solid): 1680,4130

## Keep-outs
Keep-Out Layer:
  lines w5: 1469,3508.5 1469,3508 1469,3509

## Other copper
Bottom Layer:
  region: 1576.51,2727.15

## Silkscreen, mask and mechanical layers (free items; w line width, h text height)
Top Overlay:
  region: 2427,1306 2427,1290 2441,1290 2441,1306
  region: 2427,1296.5 2427,1273.5 2450.5,1273.5 2450.5,1296.5
  region: 2430,1291 2430,1252 2457,1252 2457,1291
  region: 2453,1282 2453,1263 2467,1263 2467,1282
  region: 2430,1263 2430,1252 2453,1252 2453,1263
  region: 2426,1259 2426,1236 2441,1236 2441,1259
  region: 2435,1263 2435,1244 2453,1244 2453,1263
  region: 2437,1296.5 2437,1274 2450.5,1274 2450.5,1296.5
  region: 2435,1305 2435,1263 2450,1263 2450,1305
  region: 2430,1282 2430,1263 2467,1263 2467,1282
  region: 2430,1316 2430,1291 2435,1291 2435,1316
  region: 2450.5,1291 2450.5,1274 2465,1274 2465,1291
  region: 880,1253 880,1269 866,1269 866,1253
  region: 880,1262.5 880,1285.5 856.5,1285.5 856.5,1262.5
  region: 877,1268 877,1307 850,1307 850,1268
  region: 854,1277 854,1296 840,1296 840,1277
  region: 877,1296 877,1307 854,1307 854,1296
  region: 881,1300 881,1323 866,1323 866,1300
  region: 872,1296 872,1315 854,1315 854,1296
  region: 870,1262.5 870,1285 856.5,1285 856.5,1262.5
  region: 872,1254 872,1296 857,1296 857,1254
  region: 877,1277 877,1296 840,1296 840,1277
  region: 877,1243 877,1268 872,1268 872,1243
  region: 856.5,1268 856.5,1285 842,1285 842,1268
  region: 1660,1286.5 1644,1286.5 1644,1272.5 1660,1272.5
  region: 1650.5,1286.5 1627.5,1286.5 1627.5,1263 1650.5,1263
  region: 1645,1283.5 1606,1283.5 1606,1256.5 1645,1256.5
  region: 1636,1260.5 1617,1260.5 1617,1246.5 1636,1246.5
  region: 1617,1283.5 1606,1283.5 1606,1260.5 1617,1260.5
  region: 1613,1287.5 1590,1287.5 1590,1272.5 1613,1272.5
  region: 1617,1278.5 1598,1278.5 1598,1260.5 1617,1260.5
  region: 1650.5,1276.5 1628,1276.5 1628,1263 1650.5,1263
  region: 1659,1278.5 1617,1278.5 1617,1263.5 1659,1263.5
  region: 1636,1283.5 1617,1283.5 1617,1246.5 1636,1246.5
  region: 1670,1283.5 1645,1283.5 1645,1278.5 1670,1278.5
  region: 1645,1263 1628,1263 1628,1248.5 1645,1248.5
  rectangle: 1627,2852.5 1644,2867
  rectangle: 1602,2832 1627,2837
  rectangle: 1636,2832 1655,2869
  rectangle: 1613,2837 1655,2852
  rectangle: 1621.5,2839 1644,2852.5
  rectangle: 1655,2837 1674,2855
  rectangle: 1659,2828 1682,2843
  rectangle: 1655,2832 1666,2855
  rectangle: 1636,2855 1655,2869
  rectangle: 1627,2832 1666,2859
  rectangle: 1621.5,2829 1644.5,2852.5
  rectangle: 1612,2829 1628,2843
  lines w10: 272.76,604.59 390.87,602.29 cw(c390.87,474.33) 518.82,474.33 518.82,360 ; 272.76,3940.32 390.87,3942.63 ccw(c390.87,4070.58) 518.82,4070.58 518.82,4190 ; 3554.25,360 3554.25,474.33 cw(c3682.2,474.33) 3682.2,602.29 3800.31,604.59 ; 3554.25,4190 3554.25,4070.58 ccw(c3682.2,4070.58) 3682.2,3942.63 3800.31,3940.32 ; 833,1286 880,1239 880,1332 879,1332 833,1286 ; 1581,1285.5 1581,1286.5 1674,1286.5 1627,1239.5 1581,1285.5 ; 1598,2829 1691,2829 1691,2830 1645,2876 1598,2829 ; 2427,1227 2427,1320 2474,1273 2428,1227 2427,1227
  text "USB" at 1975,4105.81 h70
  text "D+" at 1388,3294 h45
  text "D-" at 1393,3188 h45
  text "Teensy USB Connection" at 1346.53,3016 h45 r90
  text "Option" at 2372,2126.6 h80
  text "EDIT" at 3173,2127.49 h80
  text "PLAY" at 2339,393.68 h80
  text "SHIFT" at 1519,391.5 h80
Bottom Overlay:
  circle w10: c2840,3730 r14.14
  circle w10: c2840,2790 r14.14
  circle w10: c1440,3730 r14.14
  circle w10: c1640,2790 r14.14
  circle w10: c1540,2790 r14.14
  circle w10: c1440,2790 r14.14
  lines w10: 1679,2795 1708,2795 1733,2770 1862,2770
  text "USB" at 2415,4125.81 h70
  text "Community Open-source Hardware" at 3501,4044.88 h60
  text "Solder Pins Marked With" at 2460.1,2758.61 h55
  text "Ed's  / Lab" at 1094.51,2234 h240
  text "Debug" at 3750,2175.19 h70
  text "3V3" at 3514,1967 h30
  text "SWCLK" at 3515,1921 h30
  text "SWD" at 3516,1873 h30
  text "GND" at 3516,1826 h30
  text "BOOT" at 3663,1222.78 h70
  text "Teensy 4.1  Tracker Keyboard" at 1150,404.55 h90
  text "2024-06 REV.C" at 3436,388.78 h70
Mechanical 1:
  circle w10: c3682.2,474.33 r62.99
  circle w10: c390.87,474.33 r62.99
  circle w10: c3682.2,4070.58 r62.99
  circle w10: c390.87,4070.58 r62.99
  circle w10: c390.87,4070.58 r61.59
  circle w10: c3682.2,4070.58 r61.59
  circle w10: c390.87,474.33 r61.59
  circle w10: c3682.2,474.33 r61.59
  lines w5: 3582,3507.01 1470.7,3507.01 1469,3507.01 1469,3011 3582,3011 3582,3507.01 ; 3582,3507.01 3582,3507.01
  lines w10: 272.76,427.09 ccw(c343.62,427.09) 343.62,356.22 3729.45,356.22 ccw(c3729.45,427.09) 3800.31,427.09 3800.31,4117.83 ccw(c3729.45,4117.83) 3729.45,4188.69 343.62,4188.69 ccw(c343.62,4117.83) 272.76,4117.83 272.76,427.09
  text "CUTOUT" at 2067,3192.78 h250

## Dimensions
3729.45,4188.69 to 3729.45,356.22 on Mechanical 1
272.76,4117.83 to 3800.31,4117.83 on Mechanical 1

## Text inside footprints (layer, text, board x,y; h text height)
SW1: Mechanical 15 "REF" at 1573.62,2297.84 h39.37 r180
SW2: Mechanical 15 "REF" at 1573.62,1517.49 h39.37 r180
SW3: Mechanical 15 "REF" at 814.13,1517.49 h39.37 r180
SW4: Mechanical 15 "REF" at 2350.67,1517.49 h39.37 r180
SW6: Mechanical 15 "REF" at 2440.19,2395.48 h39.37 r180
SW7: Mechanical 15 "REF" at 3189.92,2395.48 h39.37 r180
SW8: Mechanical 15 "REF" at 1540.82,573.51 h39.37 r180
SW9: Mechanical 15 "REF" at 2363.62,657.49 h39.37 r180
U1: Bottom Overlay "Teensy 4.1" at 3710,3495 h50 r90